# Altium PCB uZed_breakout.PcbDoc (part 1 of 5) (continued)
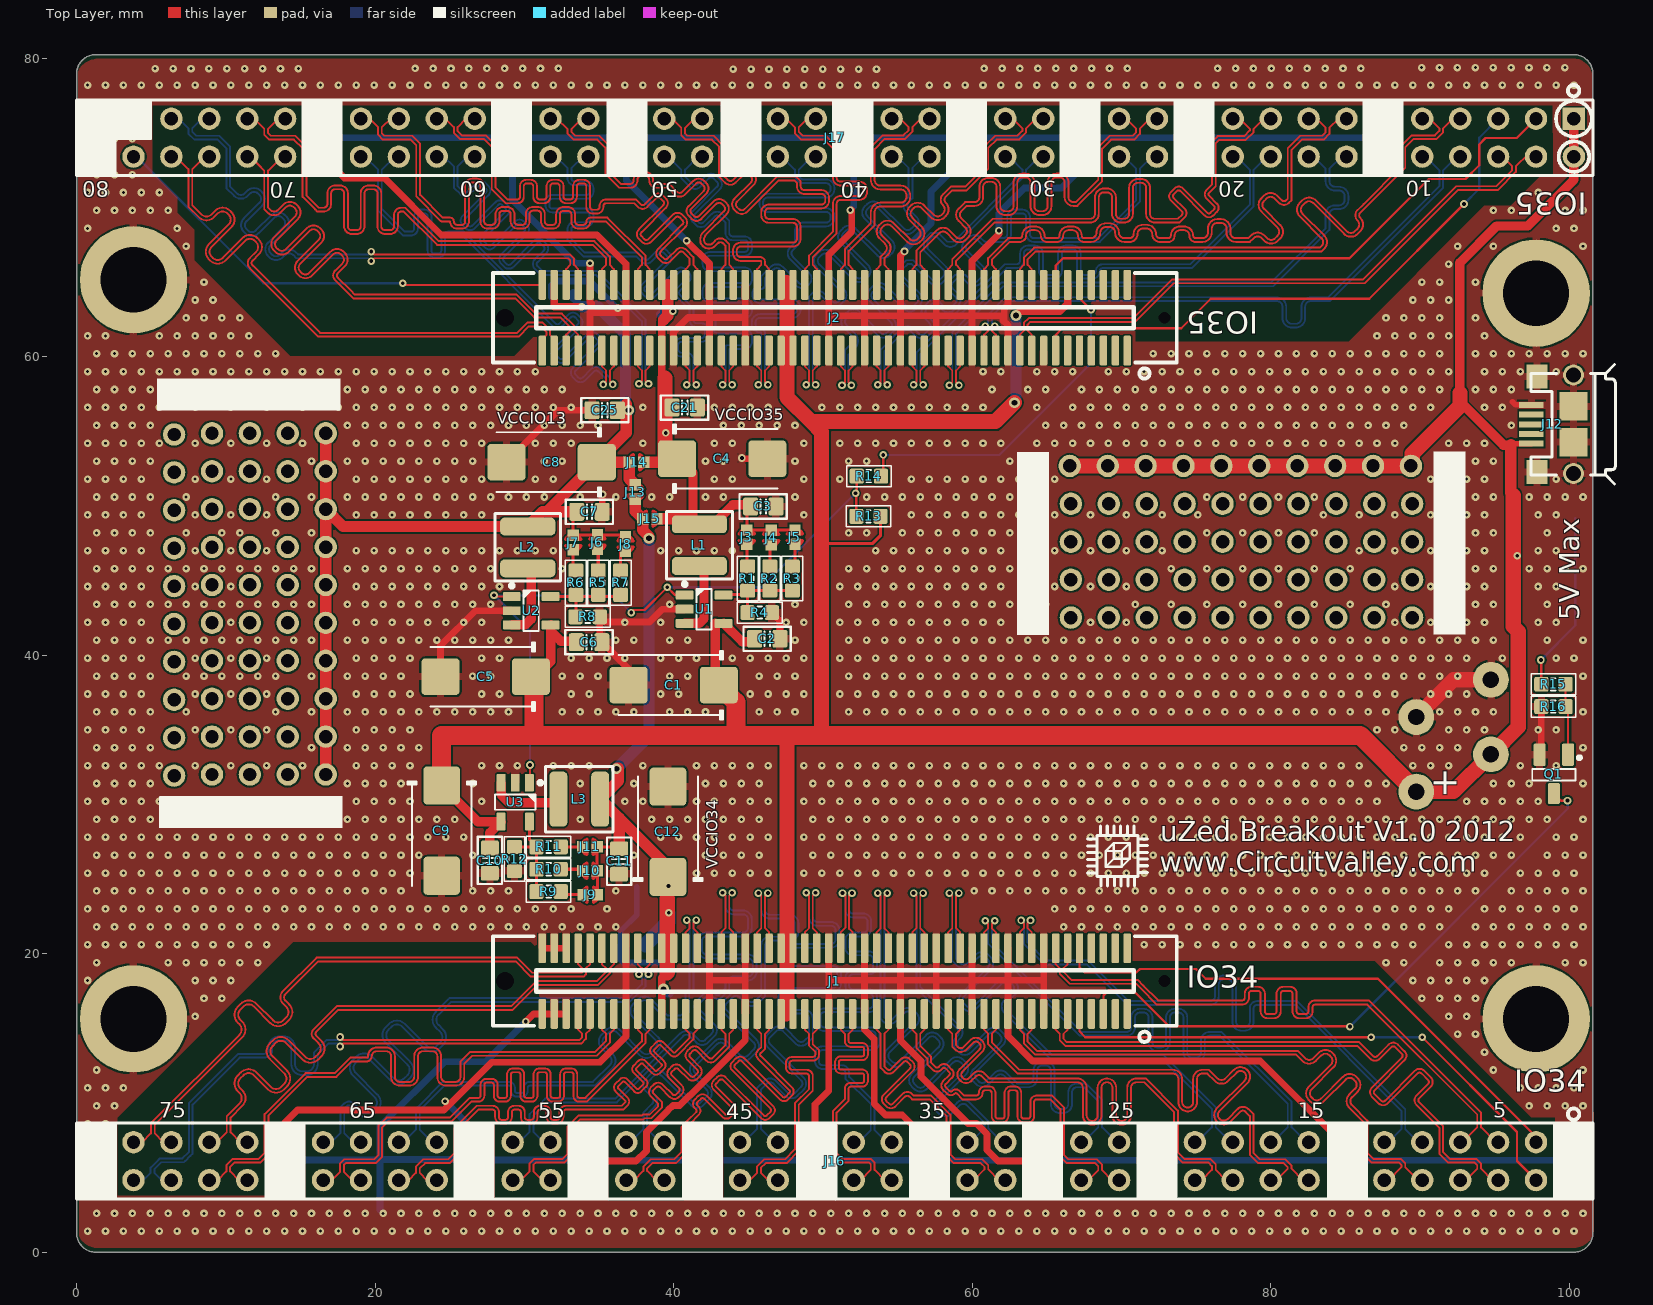
[diagram p0: Top Layer view]
## Layer stack, top to bottom
Top Solder: solder mask 0.0102, Solder Resist, Dk 3.5
Top Layer: signal copper 0.0356
Dielectric 2: prepreg 0.0711, PP-006, Dk 4.1
Layer 1: signal copper 0.035
Dielectric 1: dielectric 0.32, FR-4, Dk 4.8
Layer 2: signal copper 0.035
Dielectric 3: prepreg 0.0711, PP-006, Dk 4.1
Bottom Layer: signal copper 0.0356
Bottom Solder: solder mask 0.0102, Solder Resist, Dk 3.5

## Board outline
0,1.27 0,78.969 cw(c1.27,78.969) 1.27,80.239 100.33,80.239 cw(c100.33,78.969) 101.6,78.969 101.6,1.27 cw(c100.33,1.27) 100.33,0 1.27,0 cw(c1.27,1.27)

## Design rules (kind name [scope] priority, off if disabled: settings)
Clearance [All] p1: gap=0.127 ignorepadtopadclearanceinfootprint=FALSE
DiffPairsRouting [All] p1: maxlimit=0.254 minlimit=0.127 mostfreqgap=0.254 toplayer_maxgap=0.203 toplayer_prefgap=0.127 toplayer_minwidth=0.127 toplayer_maxwidth=5.08 toplayer_prefwidth=0.127 midlayer1_mingap=0.254 midlayer1_minwidth=0.381 midlayer1_maxwidth=0.381 midlayer1_prefwidth=0.381 midlayer2_mingap=0.254 midlayer2_minwidth=0.381 midlayer2_maxwidth=0.381 midlayer2_prefwidth=0.381 bottomlayer_maxgap=0.203 bottomlayer_prefgap=0.127 bottomlayer_minwidth=0.127 bottomlayer_maxwidth=5.08 bottomlayer_prefwidth=0.127 maxuncoupledlength=12.7
HoleSize [All] p1: absolutevalues=TRUE maxlimit=6 minlimit=0.2 maxpercent=80.000 minpercent=20.000
MatchedLengths DIFFPAIR_2 [InNetClass('DIFFPAIR2')] p1: tolerance=0.127 checknetsindiffpair=FALSE checkdiffpairvsdiffpair=TRUE checkxsignals=TRUE checkothers=TRUE
MatchedLengths DIFFPAIR_GROUP [InNetClass('DIFFPAIR')] p2: tolerance=0.127 checknetsindiffpair=FALSE checkdiffpairvsdiffpair=TRUE checkxsignals=TRUE checkothers=TRUE
MatchedLengths DIFFPAIR [InNetClass('DIFFPAIR')] p3: tolerance=0.127 checknetsindiffpair=TRUE checkdiffpairvsdiffpair=FALSE checkxsignals=FALSE checkothers=FALSE
MinimumSolderMaskSliver [All] p1: minsoldermaskwidth=0.076
PolygonConnect [All] p1: connectstyle=Relief reliefconductorwidth=0.508 reliefentries=4 polygonreliefangle="90 Angle" airgapwidth=0.127
RoutingVias [All] p1: holewidth=0.254 width=0.5 viastyle="Through Hole" minholewidth=0.254 minwidth=0.508 maxholewidth=6 maxwidth=6
SilkToSolderMaskClearance [IsPad] p1: minsilkscreentomaskgap=0.102 clearancetoexposedcopper=TRUE
SolderMaskExpansion [All] p1: expansion=0.102 istentingtop=FALSE
Width [All] p1: maxlimit=5.08 minlimit=0.152 preferedwidth=0.254
26 further rules are at their usual default settings.

## Classes and differential pairs
net class DIFFPAIR2: IO_0_35 IO_25_35 L0_T0_35_N L0_T0_35_P L1_T0_35_N L1_T0_35_P L2_T0_35_N L2_T0_35_P L3_T0_35_N L3_T0_35_P L4_T0_35_N L4_T0_35_P L5_T0_35_N L5_T0_35_P L6_T1_35_N L6_T1_35_P L6_T3_13_N L7_T1_35_N L7_T1_35_P L8_T1_35_N L8_T1_35_P L9_T1_35_N L9_T1_35_P L10_T1_35_N L10_T1_35_P L11_T1_35_N L11_T1_35_P L12_T2_35_N L12_T2_35_P L13_T2_35_N L13_T2_35_P L14_T2_35_N L14_T2_35_P L15_T2_35_N L15_T2_35_P L16_T3_35_N L16_T3_35_P L17_T3_35_N L17_T3_35_P L18_T3_35_N L18_T3_35_P L19_T3_35_N L19_T3_35_P L20_T3_13_N L20_T3_13_P L20_T3_35_N L20_T3_35_P L21_T3_13_N L21_T3_13_P L21_T3_35_N L21_T3_35_P L22_T3_13_N L22_T3_13_P L22_T3_35_N L22_T3_35_P L23_T3_35_N L23_T3_35_P
net class DIFFPAIR: IO_0_34 IO_25_34 L0_T0_34_N L0_T0_34_P L1_T0_34_N L1_T0_34_P L2_T0_34_N L2_T0_34_P L3_T0_34_N L3_T0_34_P L4_T0_34_N L4_T0_34_P L5_T0_34_N L5_T0_34_P L6_T1_34_N L6_T1_34_P L7_T1_34_N L7_T1_34_P L8_T1_34_N L8_T1_34_P L9_T1_34_N L9_T1_34_P L10_T1_34_N L10_T1_34_P L11_T1_13_N L11_T1_13_P L11_T1_34_N L11_T1_34_P L12_T1_13_N L12_T1_13_P L12_T2_34_N L12_T2_34_P L13_T2_34_N L13_T2_34_P L14_T2_34_N L14_T2_34_P L15_T2_13_N L15_T2_13_P L15_T2_34_N L15_T2_34_P L16_T3_34_N L16_T3_34_P L17_T3_34_N L17_T3_34_P L18_T3_34_N L18_T3_34_P L19_T3_13_N L19_T3_13_P L19_T3_34_N L19_T3_34_P L20_T3_34_N L20_T3_34_P L21_T3_34_N L21_T3_34_P L22_T3_34_N L22_T3_34_P L23_T3_34_N L23_T3_34_P
differential pair L23_T3_35: +L23_T3_35_P -L23_T3_35_N
differential pair L22_T3_35: +L22_T3_35_P -L22_T3_35_N
differential pair L14_T2_35: +L14_T2_35_P -L14_T2_35_N
differential pair L11_T1_35: +L11_T1_35_P -L11_T1_35_N
differential pair L5_T0_35: +L5_T0_35_P -L5_T0_35_N
differential pair L16_T3_35: +L16_T3_35_P -L16_T3_35_N
differential pair L12_T2_35: +L12_T2_35_P -L12_T2_35_N
differential pair L6_T1_35: +L6_T1_35_P -L6_T1_35_N
differential pair L0_T0_35: +L0_T0_35_P -L0_T0_35_N
differential pair L23_T3_34: +L23_T3_34_P -L23_T3_34_N
differential pair L15_T2_34: +L15_T2_34_P -L15_T2_34_N
differential pair L11_T1_34: +L11_T1_34_P -L11_T1_34_N
differential pair L5_T0_34: +L5_T0_34_P -L5_T0_34_N
differential pair L16_T3_34: +L16_T3_34_P -L16_T3_34_N
differential pair L12_T2_34: +L12_T2_34_P -L12_T2_34_N
differential pair L6_T1_34: +L6_T1_34_P -L6_T1_34_N
differential pair L0_T0_34: +L0_T0_34_P -L0_T0_34_N
differential pair L19_T3_13: +L19_T3_13_P -L19_T3_13_N
differential pair L15_T2_13: +L15_T2_13_P -L15_T2_13_N
differential pair L12_T1_13: +L12_T1_13_P -L12_T1_13_N
differential pair L11_T1_13: +L11_T1_13_P -L11_T1_13_N
differential pair L23_T3_34: +L22_T3_34_P -L22_T3_34_N
differential pair L22_T3_35: +L21_T3_35_P -L21_T3_35_N
differential pair L22_T3_34: +L21_T3_34_P -L21_T3_34_N
differential pair L22_T3_13: +L22_T3_13_P -L22_T3_13_N
differential pair L21_T3_35: +L20_T3_35_P -L20_T3_35_N
differential pair L21_T3_34: +L20_T3_34_P -L20_T3_34_N
differential pair L21_T3_13: +L21_T3_13_P -L21_T3_13_N
differential pair L20_T3_35: +L18_T3_35_P -L18_T3_35_N
differential pair L20_T3_34: +L19_T3_34_P -L19_T3_34_N
differential pair L20_T3_13: +L20_T3_13_P -L20_T3_13_N
differential pair L19_T3_35: +L19_T3_35_P -L19_T3_35_N
differential pair L19_T3_34: +L18_T3_34_P -L18_T3_34_N
differential pair L18_T3_34: +L17_T3_34_P -L17_T3_34_N
differential pair L17_T3_35: +L17_T3_35_P -L17_T3_35_N
differential pair L15_T2_35: +L15_T2_35_P -L15_T2_35_N
differential pair L15_T2_34: +L14_T2_34_P -L14_T2_34_N
differential pair L14_T2_35: +L13_T2_35_P -L13_T2_35_N
differential pair L14_T2_34: +L13_T2_34_P -L13_T2_34_N
differential pair L11_T1_35: +L10_T1_35_P -L10_T1_35_N
differential pair L11_T1_34: +L10_T1_34_P -L10_T1_34_N
differential pair L10_T1_34: +L9_T1_34_P -L9_T1_34_N
differential pair L9_T1_35: +L9_T1_35_P -L9_T1_35_N
differential pair L9_T1_34: +L8_T1_34_P -L8_T1_34_N
differential pair L8_T1_35: +L8_T1_35_P -L8_T1_35_N
differential pair L8_T1_34: +L7_T1_34_P -L7_T1_34_N
differential pair L7_T1_35: +L7_T1_35_P -L7_T1_35_N
differential pair L5_T0_35: +L4_T0_35_P -L4_T0_35_N
differential pair L5_T0_34: +L4_T0_34_P -L4_T0_34_N
differential pair L4_T0_35: +L3_T0_35_P -L3_T0_35_N
differential pair L4_T0_34: +L3_T0_34_P -L3_T0_34_N
differential pair L3_T0_35: +L2_T0_35_P -L2_T0_35_N
differential pair L3_T0_34: +L2_T0_34_P -L2_T0_34_N
differential pair L2_T0_35: +L1_T0_35_P -L1_T0_35_N
differential pair L2_T0_34: +L1_T0_34_P -L1_T0_34_N

## Components (designator, comment, footprint, x,y, rotation, side; value= is the part's Value field where it differs from the comment)
C1 "33uf 20V D" CAPMP7343X310N 40.005,37.998 r180 top value="33uf 25V"
C2 "100n" CAPC1608N 46.279,41.097 r180 top
C3 "100n" CAPC1608N 46.013,49.962 r180 top
C4 "33uf 20V D" CAPMP7343X310N 43.256,53.162 r0 top value="33uf 25V"
C5 "33uf 20V D" CAPMP7343X310N 27.407,38.557 r180 top value="33uf 25V"
C6 "100n" CAPC1608N 34.341,40.869 r180 top
C7 "100n" CAPC1608N 34.366,49.606 r180 top
C8 "33uf 20V D" CAPMP7343X310N 31.826,52.934 r180 top value="33uf 25V"
C9 "33uf 20V D" CAPMP7343X310N 24.46,28.245 r270 top value="33uf 25V"
C10 "100n" CAPC1608N 27.686,26.238 r90 top
C11 "100n" CAPC1608N 36.347,26.176 r90 top
C12 "33uf 20V D" CAPMP7343X310N 39.624,28.169 r90 top value="33uf 25V"
C16 "100n" CAPC1608N 39.726,18.491 r270 bottom
C17 "100n" CAPC1608N 38.379,22.682 r0 bottom
C18 "100n" CAPC1608N 38.379,24.46 r0 bottom
C19 "100n" CAPC1608N 37.274,20.599 r0 bottom
C20 "100n" CAPC1608N 40.831,54.839 r180 bottom
C21 "100n" CAPC1608N 40.742,56.591 r180 top
C22 "100n" CAPC1608N 39.065,61.988 r90 bottom
C24 "100n" CAPC1608N 32.664,64.008 r0 bottom
C25 "100n" CAPC1608N 35.382,56.413 r0 top
J1 "BERGSTAK-100-PLUG" 61083-101400LF 50.8,18.161 r180 top
J2 "BERGSTAK-100-PLUG" 61083-101400LF 50.8,62.611 r180 top locked
J3 "" BYPASS-CLOSED#1 44.907,48.768 r270 top
J4 "" BYPASS-CLOSED#1 46.533,48.743 r270 top
J5 "" BYPASS-CLOSED#2 48.133,48.768 r270 top
J6 "" BYPASS-CLOSED#3 34.9,48.438 r270 top
J7 "" BYPASS-CLOSED#4 33.274,48.412 r270 top
J8 "" BYPASS-CLOSED#3 36.779,48.311 r270 top
J9 "" BYPASS-CLOSED#3 35.281,23.952 r180 top
J10 "" BYPASS-CLOSED#3 35.255,25.552 r180 top
J11 "" BYPASS-CLOSED#4 35.255,27.153 r180 top
J12 "Micro-USB-B" 10118193-0001lfc 100.305,55.472 r90 top
J13 "" BYPASS-CLOSED#5 37.44,50.063 r90 top
J14 "" BYPASS-CLOSED#5 38.379,52.934 r180 top
J15 "" BYPASS-CLOSED#5 37.541,49.149 r0 top
J16 "Header 2x40" Header_2x40 50.8,6.096 r0 top locked
J17 "Header 2x40" Header_2x40 50.8,74.676 r0 top locked
J19 "804-102" 804-102 93.967,35.354 r270 bottom
L1 "2u2" TAIYO_NRS4018T2R2MDGJ 41.732,47.371 r90 top
L2 "2u2" TAIYO_NRS4018T2R2MDGJ 30.226,47.219 r90 top
L3 "2u2" TAIYO_NRS4018T2R2MDGJ 33.68,30.353 r0 top
Q1 "NTR5103NT1G" SOT23-3 98.984,31.979 r270 top
R1 "Thick Film" RESC1608N_ZERO 44.958,45.136 r270 top value=0R
R2 "Thick Film" RESC1608N_ZERO 46.457,45.136 r270 top value=0R
R3 "Thick Film" RESC1608N_ZERO 47.955,45.136 r270 top value=0R
R4 "Thick Film" RESC1608N_ZERO 45.771,42.85 r0 top value=0R
R5 "Thick Film" RESC1608N_ZERO 34.95,44.856 r90 top value=0R
R6 "Thick Film" RESC1608N_ZERO 33.452,44.856 r90 top value=0R
R7 "Thick Film" RESC1608N_ZERO 36.449,44.856 r90 top value=0R
R8 "Thick Film" RESC1608N_ZERO 34.239,42.57 r180 top value=0R
R9 "Thick Film" RESC1608N_ZERO 31.623,24.155 r180 top value=0R
R10 "Thick Film" RESC1608N_ZERO 31.623,25.654 r180 top value=0R
R11 "Thick Film" RESC1608N_ZERO 31.623,27.153 r180 top value=0R
R12 "Thick Film" RESC1608N_ZERO 29.337,26.34 r270 top value=0R
R13 "Thick Film" RESC1608N_ZERO 53.061,49.301 r180 top value=0R
R14 "Thick Film" RESC1608N_ZERO 53.086,51.994 r0 top value=0R
R15 "Thick Film" RESC1608N_ZERO 98.958,38.049 r180 top value=0R
R16 "Thick Film" RESC1608N_ZERO 98.958,36.551 r180 top value=0R
SW1 "PushButton Power" PushButtonGrid5.08x3.81 98.476,46.507 r90 bottom
U1 "AP3417C" SOT23-5 42.042,43.078 r0 top
U2 "AP3417C" SOT23-5 30.455,42.977 r0 top
U3 "AP3417C" SOT23-5 29.388,30.15 r270 top

## Footprints (in the part's own frame and the unit in brackets; to place one, negate y for a bottom-side part, rotate by r counter-clockwise, add the part's x,y. Pads: shape width x height; smd on the part's side, far side on the other; paste and mask are expansions set on the pad)
804-102 [mm] "Wago"
  round 2.4 hole 1.1: 1(-3,-0.8) 1(-0.5,4.2) 2(2,-0.8) 2(4.5,4.2)
  silkscreen extent -5.75,-7.5 5.75,7.52, body extent -5.69,-7.51 5.81,7.49, height 14.41
61083-101400LF [mm] "61083-101400LF MicroZed Carrier board"
  rrect40% 0.5x2 smd: 1(-19.6,2.2) 2(-19.6,-2.2) 3(-18.8,2.2) 4(-18.8,-2.2) 5(-18,2.2) 6(-18,-2.2) 7(-17.2,2.2) 8(-17.2,-2.2) 9(-16.4,2.2) 10(-16.4,-2.2) 11(-15.6,2.2) 12(-15.6,-2.2) 13(-14.8,2.2) 14(-14.8,-2.2) 15(-14,2.2) 16(-14,-2.2) 17(-13.2,2.2) 18(-13.2,-2.2) 19(-12.4,2.2) 20(-12.4,-2.2) 21(-11.6,2.2) 22(-11.6,-2.2) 23(-10.8,2.2) 24(-10.8,-2.2) 25(-10,2.2) 26(-10,-2.2) 27(-9.2,2.2) 28(-9.2,-2.2) 29(-8.4,2.2) 30(-8.4,-2.2) 31(-7.6,2.2) 32(-7.6,-2.2) 33(-6.8,2.2) 34(-6.8,-2.2) 35(-6,2.2) 36(-6,-2.2) 37(-5.2,2.2) 38(-5.2,-2.2) 39(-4.4,2.2) 40(-4.4,-2.2) 41(-3.6,2.2) 42(-3.6,-2.2) 43(-2.8,2.2) 44(-2.8,-2.2) 45(-2,2.2) 46(-2,-2.2) 47(-1.2,2.2) 48(-1.2,-2.2) 49(-0.4,2.2) 50(-0.4,-2.2) 51(0.4,2.2) 52(0.4,-2.2) 53(1.2,2.2) 54(1.2,-2.2) 55(2,2.2) 56(2,-2.2) 57(2.8,2.2) 58(2.8,-2.2) 59(3.6,2.2) 60(3.6,-2.2) 61(4.4,2.2) 62(4.4,-2.2) 63(5.2,2.2) 64(5.2,-2.2) 65(6,2.2) 66(6,-2.2) 67(6.8,2.2) 68(6.8,-2.2) 69(7.6,2.2) 70(7.6,-2.2) 71(8.4,2.2) 72(8.4,-2.2) 73(9.2,2.2) 74(9.2,-2.2) 75(10,2.2) 76(10,-2.2) 77(10.8,2.2) 78(10.8,-2.2) 79(11.6,2.2) 80(11.6,-2.2) 81(12.4,2.2) 82(12.4,-2.2) 83(13.2,2.2) 84(13.2,-2.2) 85(14,2.2) 86(14,-2.2) 87(14.8,2.2) 88(14.8,-2.2) 89(15.6,2.2) 90(15.6,-2.2) 91(16.4,2.2) 92(16.4,-2.2) 93(17.2,2.2) 94(17.2,-2.2) 95(18,2.2) 96(18,-2.2) 97(18.8,2.2) 98(18.8,-2.2) 99(19.6,2.2) 100(19.6,-2.2)
  round 0 hole 1.2 unplated: 108(22.1,0)
  round 0 hole 0.8 unplated: ""(-22.1,0)
  silkscreen extent -22.91,-3 22.91,4.08, body extent -22.9,-3 22.9,3, height 4.71
10118193-0001lfc [mm]
  rect 0.4x1.65 smd: 1(-1.3,2.825) 2(-0.65,2.825) 3(0,2.825) 4(0.65,2.825) 5(1.3,2.825)
  round 1.4 hole 1: 6(-3.3,0) 9(3.3,0)
  rect 1.6x1.4 smd: 6(-3.2,2.45) 9(3.2,2.45)
  rect 1.9x1.9 smd: 7(-1.2,0) 8(1.2,0)
  silkscreen extent -4,-2.8 4,2.85, body extent -3.93,-2.76 3.93,2.9, height 2.81
BYPASS-CLOSED#1 [mil] "SOLDERDOT BYPASS CLOSED"
  rect 30x30 smd: 1(15,0) 2(53,0)
  Top Layer lines w8: 42.17,-20.43 ccw(c34,0) 42.17,20.43 42.17,-20.43 ; 25.83,-20.43 cw(c34,0) 12,0 cw(c34,0) 15,11.09 cw(c34,0) 25.83,20.43 25.83,0 25.83,-20.43
  body extent 5,-20 65,20, height 25
BYPASS-CLOSED#2 [mil] "SOLDERDOT BYPASS CLOSED"
  rect 30x30 smd: 1(15,0) 2(53,0)
  Top Layer lines w8: 42.17,-20.43 ccw(c34,0) 42.17,20.43 42.17,-20.43 ; 25.83,-20.43 cw(c34,0) 15,-11.09 cw(c34,0) 25.83,20.43 25.83,0 25.83,-20.43
  body extent 5,-20 65,20, height 25
BYPASS-CLOSED#3 [mil] "SOLDERDOT BYPASS CLOSED"
  rect 30x30 smd: 1(15,0) 2(53,0)
  Top Layer lines w8: 42.17,-20.43 ccw(c34,0) 56,0 ccw(c34,0) 42.17,20.43 42.17,-20.43 ; 25.83,-20.43 cw(c34,0) 15,-11.09 cw(c34,0) 15,11.09 cw(c34,0) 25.83,20.43 25.83,0 25.83,-20.43
  body extent 5,-20 65,20, height 25
BYPASS-CLOSED#4 [mil] "SOLDERDOT BYPASS CLOSED"
  rect 30x30 smd: 1(15,0) 2(53,0)
  Top Layer lines w8: 42.17,-20.43 ccw(c34,0) 56,0 ccw(c34,0) 42.17,20.43 42.17,0 42.17,-20.43 ; 25.83,-20.43 cw(c34,0) 12,0 cw(c34,0) 14,9.17 cw(c34,0) 25.83,20.43 25.83,0 25.83,-20.43
  body extent 5,-20 65,20, height 25
BYPASS-CLOSED#5 [mil] "SOLDERDOT BYPASS CLOSED"
  rect 30x30 smd: 1(15,0) 2(53,0)
  Top Layer lines w8: 25.83,20.43 ccw(c34,0) 15,11.09 ccw(c34,0) 12,0 ccw(c34,0) 25.83,-20.43 25.83,0 25.83,20.43 ; 42.17,20.43 cw(c34,0) 55.82,2.82 cw(c34,0) 56,0 cw(c34,0) 42.17,-20.43 42.17,0 42.17,20.43
  body extent 5,-20 65,20, height 25
CAPC1608N [mm] "Chip Capacitor, Body 1.6x0.8mm, 0603, IPC Medium Density"
  round 0.254 on Mech14: 0(0,0)
  rrect25% 1x1.2 smd: 1(-0.85,0) 2(0.85,0)
  Top Layer pour cut-out: -0.4,0.6 0.4,0.6 0.4,-0.6 -0.4,-0.6
  silkscreen extent -1.57,-0.81 1.6,0.81, body extent -0.85,-0.45 0.85,0.45, height 0.89
CAPMP7343X310N [mm] "Molded body capacitor, Body 7.3x4.3mm, 2917, IPC Nominal settings"
  round 1 on Mech14: 0(0,0)
  rrect20% 2.55x2.45 smd: 1(-3.025,0) 2(3.025,0)
  silkscreen extent -3.3,-2.3 3.7,2.3, body extent -3.8,-1.97 3.8,1.98, height 3.1
Header_2x40 [mm] "Standard 2.54 2x40 80 Pin"
  rect 1.5x1.5 hole 0.9: 1(49.53,1.27)
  round 1.5 hole 0.9: 2(49.53,-1.27) 3(46.99,1.27) 4(46.99,-1.27) 5(44.45,1.27) 6(44.45,-1.27) 7(41.91,1.27) 8(41.91,-1.27) 9(39.37,1.27) 10(39.37,-1.27) 11(36.83,1.27) 12(36.83,-1.27) 13(34.29,1.27) 14(34.29,-1.27) 15(31.75,1.27) 16(31.75,-1.27) 17(29.21,1.27) 18(29.21,-1.27) 19(26.67,1.27) 20(26.67,-1.27) 21(24.13,1.27) 22(24.13,-1.27) 23(21.59,1.27) 24(21.59,-1.27) 25(19.05,1.27) 26(19.05,-1.27) 27(16.51,1.27) 28(16.51,-1.27) 29(13.97,1.27) 30(13.97,-1.27) 31(11.43,1.27) 32(11.43,-1.27) 33(8.89,1.27) 34(8.89,-1.27) 35(6.35,1.27) 36(6.35,-1.27) 37(3.81,1.27) 38(3.81,-1.27) 39(1.27,1.27) 40(1.27,-1.27) 41(-1.27,1.27) 42(-1.27,-1.27) 43(-3.81,1.27) 44(-3.81,-1.27) 45(-6.35,1.27) 46(-6.35,-1.27) 47(-8.89,1.27) 48(-8.89,-1.27) 49(-11.43,1.27) 50(-11.43,-1.27) 51(-13.97,1.27) 52(-13.97,-1.27) 53(-16.51,1.27) 54(-16.51,-1.27) 55(-19.05,1.27) 56(-19.05,-1.27) 57(-21.59,1.27) 58(-21.59,-1.27) 59(-24.13,1.27) 60(-24.13,-1.27) 61(-26.67,1.27) 62(-26.67,-1.27) 63(-29.21,1.27) 64(-29.21,-1.27) 65(-31.75,1.27) 66(-31.75,-1.27) 67(-34.29,1.27) 68(-34.29,-1.27) 69(-36.83,1.27) 70(-36.83,-1.27) 71(-39.37,1.27) 72(-39.37,-1.27) 73(-41.91,1.27) 74(-41.91,-1.27) 75(-44.45,1.27) 76(-44.45,-1.27) 77(-46.99,1.27) 78(-46.99,-1.27) 79(-49.53,1.27) 80(-49.53,-1.27)
  silkscreen extent -50.8,-2.54 50.8,3.53
PushButtonGrid5.08x3.81 [mm]
  rect 1.8x0.9 smd: 1(-2.667,1.95) 1(2.667,1.95) 2(-2.667,-1.95) 2(2.667,-1.95)
  silkscreen extent -2.54,-2.54 2.54,2.54, body extent -3.2,-2.6 3.2,2.6, height 1.52
RESC1608N_ZERO [mm] "Chip Resistor, Body 1.6x0.8mm, 0603, IPC Medium Density"
  round 0.254 on Mech14: 0(0,0)
  rrect25% 0.95x1 smd: 1(-0.813,0) 2(0.813,0)
  Top Layer pour cut-out: -0.4,0.6 0.4,0.6 0.4,-0.6 -0.4,-0.6
  silkscreen extent -1.5,-0.7 1.5,0.7, body extent -0.87,-0.47 0.88,0.48, height 0.54
SOT23-3 [mm]
  round 0.5 on Mech14: 0(0,0)
  rrect25% 1.5x0.8 smd: 1(-1.35,0.95) 2(-1.35,-0.95)
  rrect25% 1.4x0.8 smd: 3(1.25,0)
  silkscreen extent -1.25,-1.45 0.38,1.81, body extent -1.4,-1.45 1.4,1.45, height 1.29
SOT23-5 [mm]
  round 0.5 on Mech14: 0(0,0)
  rrect25% 1.2x0.6 smd: 1(-1.3,0.95) 2(-1.3,0) 3(-1.3,-0.95) 4(1.3,-0.95) 5(1.3,0.95)
  silkscreen extent -1.42,-1.35 0.51,1.81, body extent -1.4,-1.45 1.4,1.45, height 1.44
TAIYO_NRS4018T2R2MDGJ [mm] "TAIYO"
  rrect50% 1.2x3.7 smd: 1(-1.4,0) 2(1.4,0)
  silkscreen extent -2.26,-2.2 2.26,2.2, body extent -1.5,-1.5 1.5,1.5, height 1.35

## Part data
C1 C4 C5 C8 C9 C12: library part CAPT_330u_2917_6V3, "Capacitor SMD Tant 330uF 20% 6V3 2917", ESR (Equivalent Series Resistance)="15 mOhm", Manufacturer Part Number=T520D337M006ATE015, Manufacturer Size Code=D, Operating Temperature="-55°C ~ 125°C", Package / Case="2917 (7343 Metric)", Ratings=6.3V, Supplier Part Number 1=399-4052-1-ND, Tolerance=±20%, ComponentLink1Description="T520D Datasheet", ComponentLink1URL=http://www.kemet.com/datasheets&T520D337M006ATE015, Height - Seated (Max)="0.122\" (3.10mm)", Material="Solid Tantalum", Part=TAJD336K020R, Size / Dimension="0.287\" L x 0.169\" W (7.30mm x 4.30mm)", Supplier 1=Digi-Key
C2 C3 C6 C7 C10 C11 C16 C17 C18 C19 C20 C21 C22 C24 C25: library part CAPC_10p_0603_NP0_1%_50V, "Capacitor SMD Cer 10pF 5% 50V NP0 0603", Manufacturer 1="Murata Electronics North America", Manufacturer Part Number 1=GRM1885C1H100FA01J, Operating Temperature="-55°C ~ 125°C", Package / Case="0603 (1608 Metric)", Ratings="50V; NP0", Supplier Part Number 1=GRM1885C1H100FA01J-ND, Tolerance=±5%, Part=C0603X104K5RAC, Size / Dimension="0.063\" L x 0.032\" W (1.60mm x 0.81mm)", Supplier 1=Digi-Key, Thickness (Max)="0.035\" (0.90mm)"
J3 J4 J5 J6 J7 J8 J9 J10 J11 J13 J14 J15: library part BYPASS-CLOSED, "SOLDERDOT BYPASS", Manufacturer 1="Board feature", Manufacturer Part Number 1="Board Feature", Reel=Closed, Supplier 1=Solder-it-yourself
J16 J17: library part Header_2x40
L1 L2 L3: library part inductor_smd, PartNumber=NRS4018T2R2MDGJ
Q1: library part MOSFET_BSS123, "MOSFET SMD N-CH 100V 170mA SOT23-3", Manufacturer 1="Diodes Inc", Manufacturer Part Number 1=BSS123-7-F, Package / Case=SOT23-3, Ratings="100V; 170mA", Supplier Part Number 1=BSS123-FDICT-ND, Material="Metal Oxide", Supplier 1=Digi-Key
R1 R2 R3 R4 R5 R6 R7 R8 R9 R10 R11 R12 R13 R14 R15 R16: library part RES_0R_0603, "Resistor SMD chip 0.0 Ohm 0.1W 0603", Manufacturer 1=Vishay/Dale, Manufacturer Part Number 1=CRCW06030000Z0EA, Package / Case="0603 (1608metric)", Ratings=1/10W, Supplier Part Number 1=541-0.0GCT-ND, Tolerance=±5%, Supplier 1=Digi-Key
SW1: library part PushButton
J12: Mouser=https://www.mouser.de/Search/ProductDetail.aspx?R=10118193-0001LFvirtualkey64910000virtualkey649-10118193-0001LF, Part=10118193-0001lfc
J19: Part=804-102

## Free pads (board coordinates)
  round 7.2 hole 4.4: 0(3.81,15.621) 1(97.79,15.621) 2(97.79,64.262) 3(3.81,65.151)
  round 1.5 hole 0.9: 0(6.528,29.464) 0(6.528,31.928) 0(6.528,34.468) 0(6.528,37.008) 0(6.528,39.548) 0(6.528,42.088) 0(6.528,44.628) 0(6.528,47.168) 0(6.528,49.708) 0(6.528,52.248) 0(6.528,54.788) 0(6.528,57.404) 0(9.068,29.464) 0(9.068,32.004) 0(9.068,34.544) 0(9.068,37.084) 0(9.068,39.624) 0(9.068,42.164) 0(9.068,44.704) 0(9.068,47.244) 0(9.068,49.784) 0(9.068,52.324) 0(9.068,54.864) 0(9.068,57.404) 0(11.608,29.464) 0(11.608,32.004) 0(11.608,34.544) 0(11.608,37.084) 0(11.608,39.624) 0(11.608,42.164) 0(11.608,44.704) 0(11.608,47.244) 0(11.608,49.784) 0(11.608,52.324) 0(11.608,54.864) 0(11.608,57.404) 0(14.148,29.464) 0(14.148,32.004) 0(14.148,34.544) 0(14.148,37.084) 0(14.148,39.624) 0(14.148,42.164) 0(14.148,44.704) 0(14.148,47.244) 0(14.148,49.784) 0(14.148,52.324) 0(14.148,54.864) 0(14.148,57.404) 0(16.688,29.464) 0(16.688,32.004) 0(16.688,34.544) 0(16.688,37.084) 0(16.688,39.624) 0(16.688,42.164) 0(16.688,44.704) 0(16.688,47.244) 0(16.688,49.784) 0(16.688,52.324) 0(16.688,54.864) 0(16.688,57.404) 0(64.084,42.52) 0(64.084,45.06) 0(64.084,47.6) 0(64.084,50.14) 0(64.084,52.68) 0(66.548,52.68) 0(66.624,42.52) 0(66.624,45.06) 0(66.624,47.6) 0(66.624,50.14) 0(69.088,52.68) 0(69.164,42.52) 0(69.164,45.06) 0(69.164,47.6) 0(69.164,50.14) 0(71.628,52.68) 0(71.704,42.52) 0(71.704,45.06) 0(71.704,47.6) 0(71.704,50.14) 0(74.168,52.68) 0(74.244,42.52) 0(74.244,45.06) 0(74.244,47.6) 0(74.244,50.14) 0(76.708,52.68) 0(76.784,42.52) 0(76.784,45.06) 0(76.784,47.6) 0(76.784,50.14) 0(79.248,52.68) 0(79.324,42.52) 0(79.324,45.06) 0(79.324,47.6) 0(79.324,50.14) 0(81.788,52.68) 0(81.864,42.52) 0(81.864,45.06) 0(81.864,47.6) 0(81.864,50.14) 0(84.328,52.68) 0(84.404,42.52) 0(84.404,45.06) 0(84.404,47.6) 0(84.404,50.14) 0(86.868,52.68) 0(86.944,42.52) 0(86.944,45.06) 0(86.944,47.6) 0(86.944,50.14) 0(89.408,52.68) 0(89.484,42.52) 0(89.484,45.06) 0(89.484,47.6) 0(89.484,50.14) 0(92.024,42.52) 0(92.024,45.06) 0(92.024,47.6) 0(92.024,50.14) 0(92.024,52.68)

## Via types
v1: diameter 0.508, hole 0.2, Top Layer to Bottom Layer, tented both sides, 2131 vias
v2: diameter 0.508, hole 0.254, Top Layer to Bottom Layer, tented both sides, 78 vias
v3: diameter 0.711, hole 0.381, Top Layer to Bottom Layer, tented both sides, 5 vias
v4: diameter 0.762, hole 0.381, Top Layer to Bottom Layer, tented both sides, 1 vias

## Nets (pads, with @x,y where several pads share a name; then routed paths per layer and width w, separated by ;. In a path a pad name is that pad's centre, name@x,y a point inside that pad or via, vN(x,y) a via of type N, cw(c..) or ccw(c..) an arc to the next point about the centre after c; other vN are vias at no path point)
+5V: C1.1 C2.2 C5.1 C6.2 C9.1 C10.2 J1.57 J1.58 J1.59 J1.60 J2.12 J2.57 J2.58 J2.59 J2.60 J12.1 J17.1 J17.2 J19.2 pad.0@66.548,52.68 pad.0@69.088,52.68 pad.0@71.628,52.68 pad.0@74.168,52.68 pad.0@76.708,52.68 pad.0@79.248,52.68 pad.0@81.788,52.68 pad.0@84.328,52.68 pad.0@86.868,52.68 pad.0@89.408,52.68 R13.1 SW1.2 U1.4 U2.4 U3.4 | length 268.3
  Top Layer w0.203: 49.911,47.447 49.936,47.473 53.315,47.473 53.874,48.032 R13.1@53.874,49.301
  Top Layer w0.381: 96.114,54.102 96.183,54.172 J12.1@97.48,54.172
  Top Layer w0.508: 63.195,63.043 65.888,63.043 66.4,63.555 J2.12@66.4,64.811
  Top Layer w0.635: C9.1@24.46,31.27 26.88,28.85 U3.4@28.438,28.85 27.686,28.098 C10.2@27.686,27.088 ; C5.1@30.813,38.633 31.755,39.575 31.755,41.626 ; U2.4@31.755,42.027 31.755,41.626 ; C6.2@33.491,40.869 33.415,40.945 32.436,40.945 31.755,41.626 ; C1.1@42.804,38.719 U1.4@42.804,42.154 ; U1.4@43.362,42.128 44.597,40.894 C2.2@45.442,40.894 ; 92.685,56.998 95.606,54.077 96.088,54.077 ; 92.685,57.556 92.685,66.294 95.148,68.758 97.231,68.758 100.33,71.857 J17.2@100.33,73.406 J17.1@100.33,75.946
  Top Layer w0.762: 96.114,54.102 96.088,54.077 96.088,50.876 96.266,50.698
  Top Layer w1.016: 47.523,15.951 47.6,16.027 47.6,34.468 47.752,34.62 ; 47.574,64.973 47.6,64.948 47.6,57.277 49.225,55.651 ; 49.911,34.62 49.911,47.447 49.911,54.966 49.225,55.651 ; v3(62.84,56.921) 61.57,55.651 49.225,55.651 ; pad.0@66.548,52.68 pad.0@69.088,52.68 pad.0@71.628,52.68 pad.0@74.168,52.68 pad.0@76.708,52.68 pad.0@79.248,52.68 pad.0@81.788,52.68 pad.0@84.328,52.68 pad.0@86.868,52.68 pad.0@89.408,52.68 89.501,52.772 89.501,53.509 92.685,56.693 92.685,56.998 92.685,57.556 ; J19.2@89.767,30.854 92.267,30.854 J19.2@94.767,33.354 96.602,35.189 96.602,41.593 96.266,41.929 96.266,50.698
  Top Layer w1.27: C9.1@24.46,31.27 24.46,34.62 30.632,34.62 ; C5.1@30.813,38.633 30.632,38.453 30.632,34.62 ; C1.1@43.03,37.998 44.171,36.858 44.171,34.62 ; J19.2@89.767,30.854 86.001,34.62 49.911,34.62 47.752,34.62 44.171,34.62 ; 30.632,34.62 44.171,34.62
  Bottom Layer w0.381: SW1.2@96.526,43.84 v2(96.526,46.66) SW1.2@96.526,49.174
  Bottom Layer w0.508: v3@62.789,56.972 v3(62.84,56.921)
  Bottom Layer w0.762: v3@62.789,56.972 62.941,57.125 v3(62.941,62.763)